# KiCad board Beacon_Multiboard.kicad_pcb (continued)
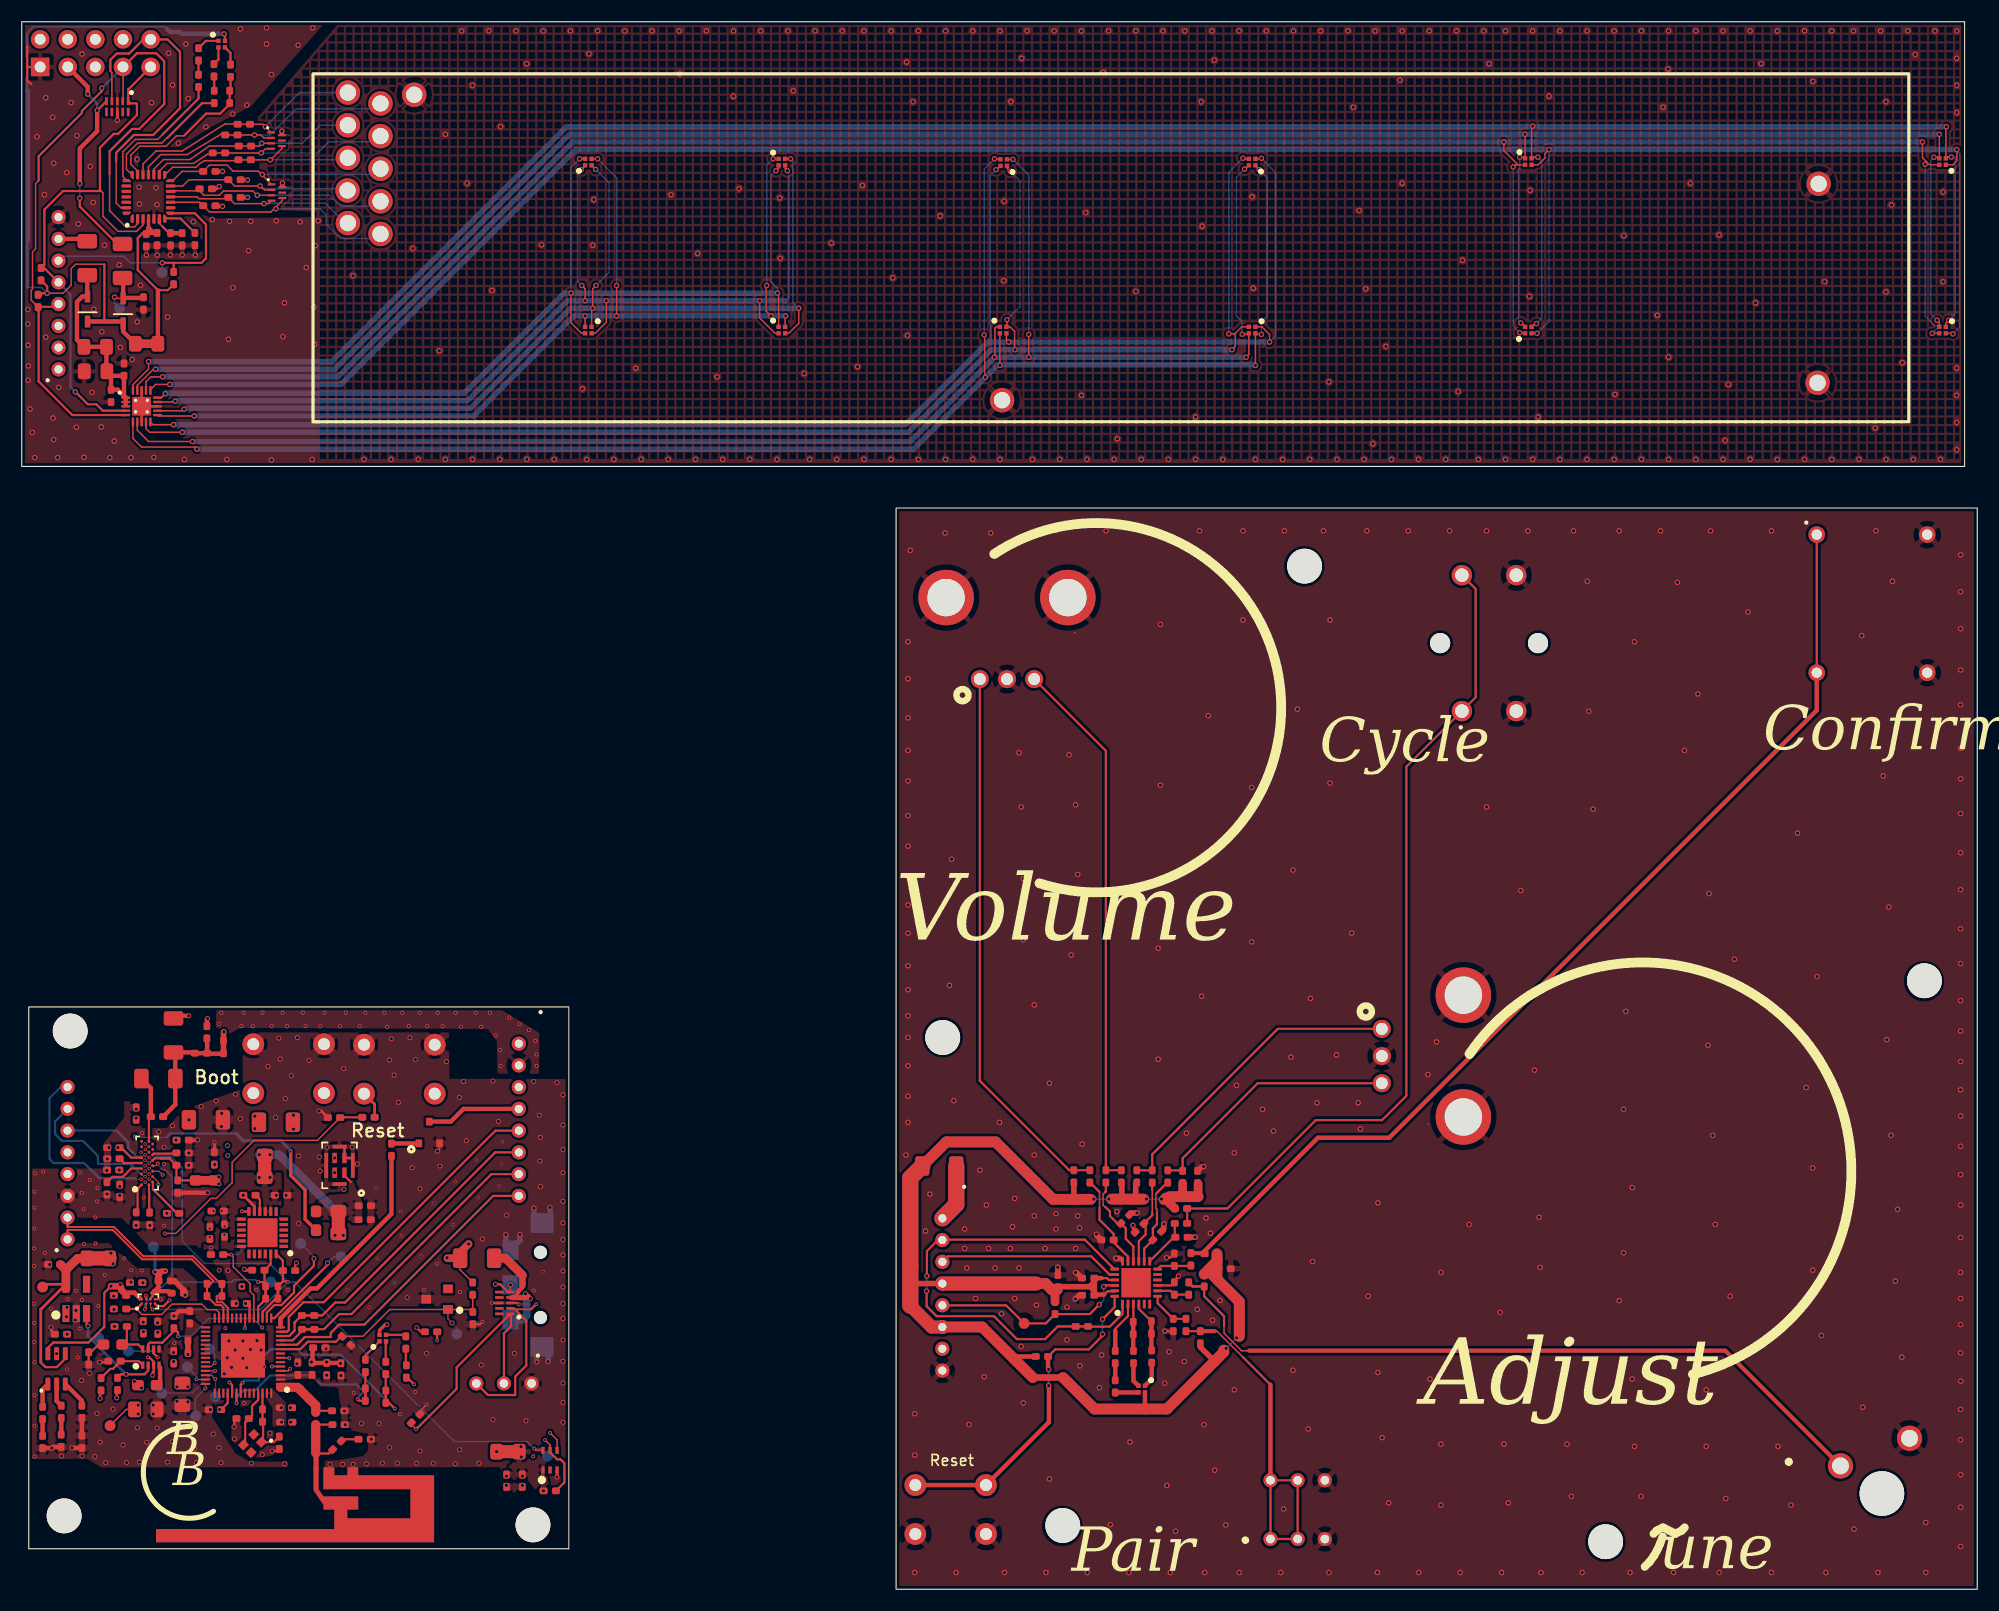
[diagram p0: board, top side]
## Placement (name value [footprint] x y rotation side) (continued)
NOREF  -  [Mounting_Hole_M3]  145.71 4.42 0 top
NOREF#2  -  [Mounting_Hole_M3]  47.06 5.96 0 top
NOREF#3  -  [Mounting_Hole_M3]  95.78 5.91 0 top
NOREF#4  -  [Mounting_Hole_M3]  3.94 6.79 0 top
NOREF#5  -  [Mounting_Hole_M3]  175.03 56 0 top
NOREF#6  -  [Mounting_Hole_M3]  118.02 94.13 0 top
NOREF#7  -  [Mounting_Hole_M3]  84.74 50.78 0 top
PS501  TPS629206  [SOT-583-8]  11.88 21.35 90 top
PS502  BQ21080  [BGA8C40P2X4_104X159X50]  11.65 26.47 90 top
PS503  MIC5504-5-SOT23  [SOT23-5_Handsoldering]  5.01 26.7 90 top
Q1301  T2N7002AK,LM  [TBAT54CLM]  37.38 41.91 90 top
R401  4k70_0402_010  [0402_1005Metric_Handsolder]  1.78 120.94 270 top
R402  4k70_0402_010  [0402_1005Metric_Handsolder]  1.5 118.48 90 top
R403  1k00_0402_010  [0402_1005Metric_Handsolder]  19.2 139.65 90 top
R405  0330_0402_010  [0402_1005Metric_Handsolder]  17.68 139.7 90 top
R406  0100_0402_010  [0402_1005Metric_Handsolder]  17.7 137.24 90 top
R407  0330_0402_010  [0402_1005Metric_Handsolder]  16.26 141.16 90 top
R408  0100_0402_010  [0402_1005Metric_Handsolder]  16.26 138.72 90 top
R409  47k0_0402_010  [0402_1005Metric_Handsolder]  13.97 120.58 90 top
R501  ????_0402_010  [0402_1005Metric_Handsolder]  7.3 18.86 270 top
R502  ????_0402_010  [0402_1005Metric_Handsolder]  9.1 24.17 180 top
R503  ????_0402_010  [0402_1005Metric_Handsolder]  8.53 20.98 0 top
R504  27k4_0603_010  [0603_1608Metric_Handsolder]  8.37 22.53 0 top
R505  47k0_0402_010  [0402_1005Metric_Handsolder]  8.81 18.88 270 top
R506  47k0_0402_010  [0402_1005Metric_Handsolder]  37.65 23.68 180 top
R507  47k0_0402_010  [0402_1005Metric_Handsolder]  9.04 25.78 180 top
R508  220k_0402_010  [0402_1005Metric_Handsolder]  36.22 15.71 225 top
R509  10k0_0402_010  [0402_1005Metric_Handsolder]  41.48 27.65 90 top
R510  15k0_0402_010  [0402_1005Metric_Handsolder]  41.49 24.94 90 top
R511  0470_0402_010  [0402_1005Metric_Handsolder]  5.53 16.32 90 top
R512  0470_0402_010  [0402_1005Metric_Handsolder]  3.64 16.32 90 top
R513  1k00_0402_010  [0402_1005Metric_Handsolder]  1.92 16.21 90 top
R515  0033_0402_010  [0402_1005Metric_Handsolder]  3.63 13.66 90 top
R516  0470_0402_010  [0402_1005Metric_Handsolder]  1.92 13.54 90 top
R701  4k70_0402_010  [0402_1005Metric_Handsolder]  21.76 29.35 180 top
R702  4k70_0402_010  [0402_1005Metric_Handsolder]  24.58 29.31 0 top
R801  0470_0402_010  [0402_1005Metric_Handsolder]  35.32 22.69 90 top
R802  0033_0402_010  [0402_1005Metric_Handsolder]  35.37 20.03 90 top
R803  0220_0402_010  [0402_1005Metric_Handsolder]  33.47 20.35 90 top
R804  2k20_0402_010  [0402_1005Metric_Handsolder]  31.89 43.41 180 top
R805  0220_0402_010  [0402_1005Metric_Handsolder]  31.6 20.53 90 top
R1001  47k0_0402_010  [0402_1005Metric_Handsolder]  17.96 30.78 0 top
R1101  10k0_0402_010  [0402_1005Metric_Handsolder]  48.56 9.05 180 top
R1201  0000_0805_010  [0603_1608Metric_Handsolder]  27.05 33.88 90 top
R1301  0220_0402_010  [0402_1005Metric_Handsolder]  34 40.42 90 top
R1401  10k0_0402_010  [0402_1005Metric_Handsolder]  106.62 35.02 0 top
R1402  10k0_0402_010  [0402_1005Metric_Handsolder]  109.36 30.85 180 top
R1403  10k0_0402_010  [0402_1005Metric_Handsolder]  108.39 23.17 90 top
R1404  10k0_0402_010  [0402_1005Metric_Handsolder]  108.75 28.41 270 top
R1405  2k20_0402_010  [0402_1005Metric_Handsolder]  106.62 33.65 180 top
R1406  2k20_0402_010  [0402_1005Metric_Handsolder]  107.53 30.34 270 top
R1407  2k20_0402_010  [0402_1005Metric_Handsolder]  107.07 24.3 90 top
R1408  2k20_0402_010  [0402_1005Metric_Handsolder]  107.33 27.65 270 top
R1409  10k0_0402_010  [0402_1005Metric_Handsolder]  96.76 37.97 90 top
R1410  10k0_0402_010  [0402_1005Metric_Handsolder]  101.13 37.96 270 top
R1411  10k0_0402_010  [0402_1005Metric_Handsolder]  102.55 37.96 90 top
R1412  10k0_0402_010  [0402_1005Metric_Handsolder]  106.77 37.91 270 top
R1413  10k0_0402_010  [0402_1005Metric_Handsolder]  98.23 37.97 90 top
R1414  10k0_0402_010  [0402_1005Metric_Handsolder]  99.71 37.97 90 top
R1415  10k0_0402_010  [0402_1005Metric_Handsolder]  103.97 37.96 90 top
R1416  10k0_0402_010  [0402_1005Metric_Handsolder]  105.4 37.96 90 top
R1501  2k20_0402_010  [0402_1005Metric_Handsolder]  95.03 25.87 90 top
R1502  2k20_0402_010  [0402_1005Metric_Handsolder]  93.82 21.4 180 top
R1503  0470_0402_010  [0402_1005Metric_Handsolder]  100.57 18.66 270 top
R1504  0033_0402_010  [0402_1005Metric_Handsolder]  100.57 21.35 270 top
R1505  0220_0402_010  [0402_1005Metric_Handsolder]  102.25 21.35 270 top
R1506  0220_0402_010  [0402_1005Metric_Handsolder]  103.92 21.4 270 top
REF**  -  [Mounting_Hole_M3]  4.5 51.38 0 top
SW501  SW_SPDT  [A12AP]  44.44 17.83 270 top
SW801  SW_Push  [SW_PUSH_6mm]  27.8 45.63 180 top
SW802  SW_Push  [SW_PUSH_6mm]  37.98 45.58 180 top
SW1401  SW_Push  [B3J1100]  134.6 89.26 90 top
SW1402  SW_Push  [JF15CP2]  170.17 90.64 0 top
SW1403  SW_Push  [MHPS2283N]  117.35 7.52 0 top
SW1404  SW_Push  [MX1AC1NN]  171.08 8.8 0 top
SW1405  PEC11R-4215F-N0024  [PEC11R4215FN0024]  90.61 91.25 0 top
SW1406  PEC11R-4215F-N0024  [PEC11R4215FN0024]  132.64 49.04 270 top
SW1501  SW_Push  [SW_PUSH_6mm]  82.18 9.58 0 top
Tactile  -  [Board]  80.8 99.42 0 top
TP401  TOUCH_INT  [Testpoint_Pad_D1.0mm]  12.88 121.11 180 bottom
TP403  +3V3_DEBUG  [Testpoint_Pad_D1.0mm]  9.01 117.8 180 bottom
TP501  3V3  [Testpoint_Pad_D1.0mm]  8.13 15.04 0 top
TP502  SYS_PWR  [Testpoint_Pad_D1.0mm]  9.8 21.9 180 bottom
TP503  BAT_P  [Testpoint_Pad_D1.0mm]  12.11 31.48 180 bottom
TP504  3V3_PG  [Testpoint_Pad_D1.0mm]  7.08 23.09 180 bottom
TP505  BAT_MEASURE  [Testpoint_Pad_D1.0mm]  40.01 23.48 180 bottom
TP509  2V5  [Testpoint_Pad_D1.0mm]  1.91 27.79 0 top
TP701  I2S0_MCLK  [Testpoint_Pad_D1.0mm]  17.27 22.1 180 bottom
TP702  I2S1_BCLK  [Testpoint_Pad_D1.0mm]  29.36 30.59 180 bottom
TP703  I2S0_WCLK  [Testpoint_Pad_D1.0mm]  17.83 17.74 180 bottom
TP704  I2S1_MISO  [Testpoint_Pad_D1.0mm]  25.65 31.81 180 bottom
TP705  I2S0_BCLK  [Testpoint_Pad_D1.0mm]  16 15.96 180 bottom
TP706  I2S0_MISO  [Testpoint_Pad_D1.0mm]  12.88 18.04 180 bottom
TP707  I2S0_MOSI  [Testpoint_Pad_D1.0mm]  15.24 20.43 180 bottom
TP708  I2C0_SCLK  [Testpoint_Pad_D1.0mm]  22.91 28.25 180 bottom
TP709  I2C0_SDA  [Testpoint_Pad_D1.0mm]  48.36 12.25 180 bottom
TP1001  IMU_INT  [Testpoint_Pad_D1.0mm]  21.74 32.62 180 bottom
TP1501  TACT_NINT  [Testpoint_Pad_D1.0mm]  92.19 24.45 0 top
U401  KTD20XXEUAC-TR  [UQFN-20-1EP_3x3mm_P0.4mm_EP1.7x1.7mm_ThermalVias]  11.04 108.78 0 top
U402  IQS525BLQNR  [QFN-28_4x4mm_P0.5mm]  11.65 128.06 90 top
U601  DA7212-01UM2  [DA721201UM2]  11.53 39.2 90 top
U701  ESP32-S3FH4R2  [QFN40P700X700X90-57N-D]  20.35 21.49 180 top
U1001  ICM-20689  [QFN50P400X400X95-25N-D]  22.15 32.79 180 top
U1101  LTR-303ALS  [LTR303ALS01]  48.59 11.87 90 top
U1501  KTS1622_EUAA  [TQFN44-24_4x4mm_P0.5mm_EP2.7x2.7mm]  102.49 28.19 90 top
Y701  40MHz-0706-4P  [XRCGB40M000F1S2FR0]  21.22 13.4 225 top

## Library data of the parts
C301-C303 C401-C413 C501-C508 C511-C513 C533 C534 C601-C619 C701-C711 C801-C804 C1001-C1005 C1101 C1102 C1201 C1202 C1501-C1503 = -: Description: Unpolarized capacitor, small symbol
C1401-C1408 = -: Description: Unpolarized capacitor, small symbol; Pagenumber: 12
D401-D412 D417 D801 D1501 = -: Description: RGB LED, 4 Pin
D413 D414 = -: Description: Diode, filled shape
D415 D507 = -: Description: ESD, Bidirectional, Low Capacitance, 5V
D416 D418 = -: Description: ESD Suppression, Unidirectional, 6 Channel, 0.27 pF
D501 = -: Description: RGB LED, 6 Pin
D503 = -: Description: Zener diode, small symbol
F201 F301 F401 F402 F501 = -: Description: Fuse, small symbol
J101 J102 J104 J106 = -: Description: Generic connector, single row, 01x08, script generated
J404 = -: Description: Generic connector, double row, 02x05, odd/even pin numbering scheme (row 1 odd numbers, row 2 even numbers), script generated (kicad-library-utils/schlib/autogen/connector/)
J501 = -: Description: Generic connector, single row, 01x03, script generated
L501 L701 L801 L802 = -: Description: Inductor
MK1201 = -: Description: MEMS Microphone, I2C
PS501 = -: Description: DC/DC Buck Converter, 600-mA, 3 to 17 V, Low IQ
PS502 = -: Description: Battery Controller, Power Path, I2C Controlled
PS503 = -: Description: 2.5V Fixed LDO, 300 mA, 5 pin SOT23
R401-R403 R405-R409 R501-R513 R515 R516 R701 R702 R801-R805 R1001 R1101 R1201 R1301 R1501-R1506 = -: Description: Resistor, small symbol
R1401-R1416 = -: Description: Resistor, small symbol; Pagenumber: 12
SW501 = -: Description: Switch, single pole double throw
SW801 SW802 SW1501 = -: Description: Push button switch, generic, two pins
SW1401-SW1404 = -: Description: Push button switch, generic, two pins; Pagenumber: 12
SW1405 SW1406 = -: Pagenumber: 12
U401 = -: Description: LED Driver, 36 Channels, Multiplexing, I2C
U402 = -: Description: Capacitive Touch Controller, 25 Channel,  QFN28
U601 = -: Description: Audio Codec, Analog Input, DSP, Headphone Amplifier
U701 = -: Description: RF MCU, 45 GPIO, 4 MB Flash, 2 MB PSRAM
U1001 = -: Description: MEMS IMU, 3-Axis ACC, 3-Axis Gyro
U1101 = -: Description: Ambient Light Sensor, I2C
U1501 = -: Description: IO Extender, 16 IO, I2C

## Footprints (pads in the part's own frame, mm; a bottom-side part is the same pattern mirrored in y, then rotated)
2.4GHz_Inverted_F_Antenna
  rect 0.46x0.46 smd: 1(-14.72,-6.68)
  rect 1x0.74 smd: 2(-18.1,-6.54) 2(-15.9,-6.54)
0402_1005Metric_Handsolder
  rrect 0.735x0.62 smd: 1(-0.568,0) 2(0.568,0)
0402_CUT-N-JUMP
  rrect 0.735x0.62 smd: 1(-0.593,0.025) 2(0.542,0.025)
0603_1608Metric_Handsolder
  rrect 1.075x0.95 smd: 1(-0.863,-0.02) 2(0.863,-0.02)
0603_CUT-N-JUMP
  rrect 1.075x0.95 smd: 1(-0.875,0) 2(0.85,0)
0805_2012Metric_Handsolder
  rrect 1.175x1.45 smd: 1(-1.058,-0.02) 2(1.018,-0.02)
0805_CUT-N-JUMP
  rrect 1.175x1.45 smd: 1(-1.038,0) 2(1.038,0)
1206_3216Metric_Handsolder
  rrect 1.325x1.8 smd: 1(-1.583,0) 2(1.542,0)
A12AP
  round 1.3 hole 0.8: 1(-1.1,2.45) 2(-1.1,-0.09) 3(-1.1,-2.63)
B3J1100
  round 1.85 hole 1.85 unplated: (-2.25,4.15) (-2.25,-4.85)
  round 1.875 hole 1.25: 1(-8.5,2.15) 1(4,2.15) 2(-8.5,-2.85) 2(4,-2.85)
BGA8C40P2X4_104X159X50
  round 0.23 smd: A1(-0.2,0.6) A2(0.2,0.6) B1(-0.2,0.2) B2(0.2,0.2) C1(-0.2,-0.2) C2(0.2,-0.2) D1(-0.2,-0.6) D2(0.2,-0.6)
CLYBA-FKA-CFHHKL9BBB7a363
  rrect 1.2x0.45 smd: 1(-1.4,0.8) 2(-1.4,0) 3(-1.4,-0.8) 4(1.4,-0.8) 5(1.4,0) 6(1.4,0.8)
CONN_1x08_P2.00mm_Horizontal
  round 1.3 hole 0.75: 1(-7,0) 2(-5,0) 3(-3,0) 4(-1,0) 5(1,0) 6(3,0) 7(5,0) 8(7,0)
DA721201UM2
  round 0.27 smd: A1(-2,0.51) A3(-1.5,0.51) A5(-1,0.51) A7(-0.5,0.51) A9(0,0.51) A11(0.5,0.51) A13(1,0.51) A15(1.5,0.51) A17(2,0.51) B2(-1.75,0.17) B4(-1.25,0.17) B6(-0.75,0.17) B8(-0.25,0.17) B10(0.25,0.17) B12(0.75,0.17) B14(1.25,0.17) B16(1.75,0.17) C1(-2,-0.17) C3(-1.5,-0.17) C5(-1,-0.17) C7(-0.5,-0.17) C9(0,-0.17) C11(0.5,-0.17) C13(1,-0.17) C15(1.5,-0.17) C17(2,-0.17) D2(-1.75,-0.51) D4(-1.25,-0.51) D6(-0.75,-0.51) D8(-0.25,-0.51) D10(0.25,-0.51) D12(0.75,-0.51) D14(1.25,-0.51) D16(1.75,-0.51)
JF15CP2
  round 1.524 hole 0.95: 1(-5.08,6.35) 1(-5.08,-6.35) 2(5.08,6.35) 2(5.08,-6.35)
LEAF_17461421
  round 1.2 hole 1.2 unplated: (-3,0.625) (3,0.625)
  rect 1.8x1.5 smd: 1(-3.2,-2.125) 2(0,-2.125) 3(3.2,-2.125)
  rect 1.8x2.1 smd: 3(-5.7,0.775) 3(5.7,0.775)
LTR303ALS01
  rect 0.65x0.3 smd: 1(-0.9,0.65) 2(-0.9,0) 3(-0.9,-0.65) 4(0.9,-0.65) 5(0.9,0) 6(0.9,0.65)
MHPS2283N
  round 1.3 hole 0.8: 1(-2.5,2.5) 1(-2.5,-2.9) 1(0,2.5) 1(0,-2.9) 2(2.5,2.5) 2(2.5,-2.9)
Mounting_Hole_M3
  round 3.2 hole 3.2 unplated: (-0.04,-0.041)
MP34DT05TRA
  rect 0.4x0.95 smd: 1(-0.45,0.675) 2(-0.45,-0.675) 3(0.45,-0.675) 4(0.45,0.675)
  rect 0.35x2.3 smd: 5(-1.225,0) 5(1.225,0)
  rect 1.3x0.35 smd: 5(0,1.725) 5(0,-1.725)
MX1AC1NN
  round 4.1 hole 4.1 unplated: (0,0)
  round 2.324 hole 1.55: 1(-3.81,2.54) 2(2.54,5.08)
PAD_SMALL
  rrect 0.6x0.6 smd: 1(0,0)
PEC11R4215FN0024
  round 1.65 hole 1.1: A(-2.5,-7.55) B(2.5,-7.55) C(0,-7.55)
  round 5.1 hole 3.44: C(-5.6,-0.05) C(5.6,-0.05)
PESD4USB5BTBSX
  rect 0.25x0.725 smd: 1(-1,-0.487) 2(-0.5,-0.487) 3(0,-0.487) 4(0.5,-0.487) 5(1,-0.487)
  rect 0.25x0.775 smd: 6(1,0.512) 7(0.5,0.512) 8(0,0.512) 9(-0.5,0.512) 10(-1,0.512)
PinHeader_2x05_P2.54
  rect 1.7x1.7 hole 1: 1(-1.27,5.23)
  oval 1.7x1.7 hole 1: 2(1.27,5.23) 3(-1.27,2.69) 4(1.27,2.69) 5(-1.27,0.15) 6(1.27,0.15) 7(-1.27,-2.39) 8(1.27,-2.39) 9(-1.27,-4.93) 10(1.27,-4.93)
Plated_Hole_D1.5mm
  round 2.25 hole 1.5: 1(0,0)
PUSB3TB6AZ
  rect 0.7x0.2 smd: 1(-0.5,0.75) 2(-0.5,0.25) 3(-0.5,-0.25) 4(-0.5,-0.75) 5(0.5,-0.5) 6(0.5,0) 7(0.5,0.5)
QFN40P700X700X90-57N-D
  rect 0.85x0.2 smd: 1(-3.45,2.6) 2(-3.45,2.2) 3(-3.45,1.8) 4(-3.45,1.4) 5(-3.45,1) 6(-3.45,0.6) 7(-3.45,0.2) 8(-3.45,-0.2) 9(-3.45,-0.6) 10(-3.45,-1) 11(-3.45,-1.4) 12(-3.45,-1.8) 13(-3.45,-2.2) 14(-3.45,-2.6) 29(3.45,-2.6) 30(3.45,-2.2) 31(3.45,-1.8) 32(3.45,-1.4) 33(3.45,-1) 34(3.45,-0.6) 35(3.45,-0.2) 36(3.45,0.2) 37(3.45,0.6) 38(3.45,1) 39(3.45,1.4) 40(3.45,1.8) 41(3.45,2.2) 42(3.45,2.6)
  rect 0.2x0.85 smd: 15(-2.6,-3.45) 16(-2.2,-3.45) 17(-1.8,-3.45) 18(-1.4,-3.45) 19(-1,-3.45) 20(-0.6,-3.45) 21(-0.2,-3.45) 22(0.2,-3.45) 23(0.6,-3.45) 24(1,-3.45) 25(1.4,-3.45) 26(1.8,-3.45) 27(2.2,-3.45) 28(2.6,-3.45) 43(2.6,3.45) 44(2.2,3.45) 45(1.8,3.45) 46(1.4,3.45) 47(1,3.45) 48(0.6,3.45) 49(0.2,3.45) 50(-0.2,3.45) 51(-0.6,3.45) 52(-1,3.45) 53(-1.4,3.45) 54(-1.8,3.45) 55(-2.2,3.45) 56(-2.6,3.45)
  rect 4.05x4.05 smd: 57(0,0)
QFN50P400X400X95-25N-D
  rect 0.8x0.3 smd: 1(-1.95,1.25) 2(-1.95,0.75) 3(-1.95,0.25) 4(-1.95,-0.25) 5(-1.95,-0.75) 6(-1.95,-1.25) 13(1.95,-1.25) 14(1.95,-0.75) 15(1.95,-0.25) 16(1.95,0.25) 17(1.95,0.75) 18(1.95,1.25)
  rect 0.3x0.8 smd: 7(-1.25,-1.95) 8(-0.75,-1.95) 9(-0.25,-1.95) 10(0.25,-1.95) 11(0.75,-1.95) 12(1.25,-1.95) 19(1.25,1.95) 20(0.75,1.95) 21(0.25,1.95) 22(-0.25,1.95) 23(-0.75,1.95) 24(-1.25,1.95)
  rect 2.75x2.65 smd: EP(0,0)
QFN-28_4x4mm_P0.5mm
  custom 0.755x0.3 smd: 1(-1.99,1.49) 7(-1.99,-1.5) 15(1.99,-1.495) 21(1.99,1.495)
  rrect 0.875x0.3 smd: 2(-2.04,0.995) 3(-2.04,0.495) 4(-2.04,-0.005) 5(-2.04,-0.505) 6(-2.04,-1.005) 16(2.04,-1) 17(2.04,-0.5) 18(2.04,0) 19(2.04,0.5) 20(2.04,1)
  custom 0.3x0.745 smd: 8(-1.515,-1.985)
  rrect 0.3x0.875 smd: 9(-1.01,-2.04) 10(-0.51,-2.04) 11(-0.01,-2.04) 12(0.49,-2.04) 13(0.99,-2.04) 23(0.99,2.04) 24(0.49,2.04) 25(-0.01,2.04) 26(-0.51,2.04) 27(-1.01,2.04)
  custom 0.3x0.755 smd: 14(1.495,-1.99) 22(1.495,1.99) 28(-1.505,1.99)
SOD2512X115N
  rect 1.1x0.5 smd: 1(-1.15,0) 2(1.15,0)
SOT23-5_Handsoldering
  rect 1.56x0.65 smd: 1(-1.35,0.95) 2(-1.35,0) 3(-1.35,-0.95) 4(1.35,-0.95) 5(1.35,0.95)
SOT23_Handsolder
  rect 0.9x0.8 smd: 1(-1,0.95) 2(1,0) 3(-1,-0.95)
SOT-583-8
  rrect 0.67x0.3 smd: 1(-0.74,0.75) 2(-0.74,0.25) 3(-0.74,-0.25) 4(-0.74,-0.75) 5(0.74,-0.75) 6(0.74,-0.25) 7(0.74,0.25) 8(0.74,0.75)
SW_PUSH_6mm
  round 2 hole 1.1: 1(0,0) 1(6.5,0) 2(0,-4.5) 2(6.5,-4.5)
TBAT54CLM
  rect 0.7x0.6 smd: D(1.1,-0.1) G(-0.9,0.85) S(-0.9,-1.05)
Testpoint_Pad_D1.0mm
  round 1 smd: 1(0,0)
TQFN44-24_4x4mm_P0.5mm_EP2.7x2.7mm
  rrect 1.09x1.05 smd: (-0.675,0.65) (-0.675,-0.65) (0.675,0.65) (0.675,-0.65)
  rrect 0.8x0.27 smd: 1(-1.975,1.25) 2(-1.975,0.75) 3(-1.975,0.25) 4(-1.975,-0.25) 5(-1.975,-0.75) 6(-1.975,-1.25) 13(1.975,-1.25) 14(1.975,-0.75) 15(1.975,-0.25) 16(1.975,0.25) 17(1.975,0.75) 18(1.975,1.25)
  rrect 0.27x0.8 smd: 7(-1.25,-1.975) 8(-0.75,-1.975) 9(-0.25,-1.975) 10(0.25,-1.975) 11(0.75,-1.975) 12(1.25,-1.975) 19(1.25,1.975) 20(0.75,1.975) 21(0.25,1.975) 22(-0.25,1.975) 23(-0.75,1.975) 24(-1.25,1.975)
  rect 2.7x2.7 smd: EP(0,0)
UHD1110FKACL1A13r3q1BBQFMF3
  rect 0.4x0.4 smd: 1(-0.3,0.3) 2(-0.3,-0.3) 3(0.3,-0.3) 4(0.3,0.3)
UQFN-20-1EP_3x3mm_P0.4mm_EP1.7x1.7mm_ThermalVias
  rrect 0.8x0.8 smd: (-0.398,0.397) (-0.398,-0.403) (0.402,0.397) (0.402,-0.403)
  rrect 0.81x0.22 smd: 1(-1.473,0.807) 2(-1.473,0.407) 3(-1.473,0.007) 4(-1.473,-0.393) 5(-1.473,-0.793) 11(1.452,-0.793) 12(1.452,-0.393) 13(1.452,0.007) 14(1.452,0.407) 15(1.452,0.807)
  rrect 0.22x0.81 smd: 6(-0.808,-1.428) 7(-0.408,-1.428) 8(-0.008,-1.428) 9(0.392,-1.428) 10(0.792,-1.428) 16(0.792,1.472) 17(0.392,1.472) 18(-0.008,1.472) 19(-0.408,1.472) 20(-0.808,1.472)
  round 0.5 hole 0.3: EP(-0.559,0.559) EP(-0.559,-0.508) EP(0.508,0.559) EP(0.508,-0.508)
  rect 1.7x1.7 smd: EP(-0.01,0.022)
  rect 1.7x1.7 smd far side: EP(-0.01,0.022)
XRCGB40M000F1S2FR0
  rect 0.75x0.7 smd: 1(-0.3,0.15) 2(-0.3,-0.15) 2(0.3,0.15) 3(0.3,-0.15)

## Nets
/Fret_Assembly/+3V3: C303.2 C401.2 C402.2 D413.2 F401.2 J401.1 J401.2 U401.1 U401.2 U401.3
/Fret_Assembly/+3V3_DEBUG: D415.5 F402.1 J404.3
/Fret_Assembly/+3V3_EXT: F401.1 J102.7
/Fret_Assembly/+3V3_PROTECT: C403.2 C405.2 D413.1 D414.1 D417.4 J408.1 J408.2 R401.2 R402.2 R409.1 U402.4
/Main_Board/3V3_PG: C801.2 PS501.2 PS503.3 R505.1 R804.2 TP504.1
/Main_Board/+2V5: C534.2 C604.2 C605.2 C606.2 D501.4 J603.1 J603.2 PS503.5 R1201.1 TP509.1 U601.A11 U601.B6 U601.B14
/Main_Board/+3V3: C502.2 C503.2 C512.2 C533.2 C601.2 C602.2 C603.2 C701.2 C702.2 C703.2 C704.2 C705.2 C706.2 C708.2 C709.2 C1001.2 C1002.2 C1003.2 C1005.2 C1101.2 C1102.2 C1201.2 C1202.2 D501.5 D801.4 F201.2 J601.1 J601.2 J701.1 J701.2 J1001.1 J1001.2 J1101.1 J1101.2 J1201.1 J1201.2 L501.2 L701.1 MK1201.1 PS501.3 PS503.1 R501.2 R505.2 R507.2 R701.2 R702.2 R1001.1 R1101.2 R1201.2 TP501.1 U601.D10 U701.20 U701.29 U701.46 U701.55 U701.56 U1001.8 U1001.9 U1001.13 U1101.1
/Main_Board/+3V3_EXT: F201.1 J101.3
/Main_Board/+5V: C504.2 D501.6 J106.4 PS502.A2
/Main_Board/MCU/VDD3P3: C707.2 L701.2 U701.2 U701.3
/Main_Board/Regulators/3V3_EN: C507.1 D507.1 PS501.7 R508.2 SW501.2
/Tactile_Board/+3V3: C301.2 C302.2 C1501.2 C1502.2 C1503.2 D1501.4 F301.2 J104.4 J104.6 R1401.1 R1402.1 R1403.1 R1404.1 R1409.1 R1410.2 R1411.1 R1412.2 R1501.2 R1502.2 U1501.21 U1501.23
/Tactile_Board/+3V3_EXT: F301.1 J104.1
GND: AE801.2 C301.1 C302.1 C303.1 C401.1 C402.1 C403.1 C404.1 C405.1 C406.1 C407.1 C408.1 C409.1 C410.1 C411.1 C412.1 C413.1 C501.1 C502.1 C503.1 C504.1 C505.1 C506.1 C507.2 C508.1 C511.1 C512.1 C513.1 C533.1 C534.1 C601.1 C602.1 C603.1 C604.1 C605.1 C606.1 C609.2 C610.2 C611.2 C612.2 C614.1 C615.1 C616.1 C617.1 C618.1 C619.1 C701.1 C702.1 C703.1 C704.1 C705.1 C706.1 C707.1 C708.1 C709.1 C710.1 C711.1 C801.1 C802.1 C803.1 C804.1 C1001.1 C1002.1 C1003.1 C1004.1 C1005.1 C1101.1 C1102.1 C1201.1 C1202.1 C1401.1 C1402.1 C1403.1 C1404.1 C1405.1 C1406.1 C1407.1 C1408.1 C1501.1 C1502.1 C1503.1 D415.3 D415.8 D416.7 D418.7 D503.2 D507.3 D507.8 H425.1 H426.1 H427.1 H428.1 J101.2 J102.8 J104.8 J106.3 J106.5 J404.1 J410.1 J410.2 J501.3 J502.1 J502.2 MK1201.2 MK1201.5 PS501.5 PS502.D2 PS503.2 Q1301.S R503.1 R504.1 R508.1 R510.1 R511.1 R515.1 R516.1 SW501.1 SW801.2 SW802.2 SW1401.2 SW1402.2 SW1403.2 SW1404.2 SW1405.C SW1406.C SW1501.2 U401.8 U401.13 U401.18 U401.EP U402.5 U601.A13 U601.B2 U601.B10 U701.57 U1001.11 U1001.18 U1101.3 U1501.9 U1501.18
/Fret_Assembly/BLED: R408.1 U402.22
/Fret_Assembly/GLED: R406.1 U402.21
/Fret_Assembly/I2C1_SCLK: D415.1 J102.5 J404.9 R401.1 U401.4 U402.3
/Fret_Assembly/I2C1_SDA: D415.2 J102.4 J404.7 R402.1 U401.5 U402.2
/Fret_Assembly/LEDA1: D401.3 D402.2 D403.1 D404.4 U401.6
/Fret_Assembly/LEDA2: D401.2 D402.1 D403.4 D404.3 U401.7
/Fret_Assembly/LEDA3: D401.1 D402.4 D403.3 D404.2 U401.9
/Fret_Assembly/LEDA4: D401.4 D402.3 D403.2 D404.1 U401.10
/Fret_Assembly/LEDB1: D405.3 D406.2 D407.1 D408.4 U401.11
/Fret_Assembly/LEDB2: D405.2 D406.1 D407.4 D408.3 U401.12
/Fret_Assembly/LEDB3: D405.1 D406.4 D407.3 D408.2 U401.14
/Fret_Assembly/LEDB4: D405.4 D406.3 D407.2 D408.1 U401.15
/Fret_Assembly/LEDC1: D409.3 D410.2 D411.1 D412.4 U401.16
/Fret_Assembly/LEDC2: D409.2 D410.1 D411.4 D412.3 U401.17
/Fret_Assembly/LEDC3: D409.1 D410.4 D411.3 D412.2 U401.19
/Fret_Assembly/LEDC4: D409.4 D410.3 D411.2 D412.1 U401.20
/Fret_Assembly/RLED: J409.1 J409.2 R403.1 U402.20
/Fret_Assembly/RX0: C406.2 D418.5 H411.1 U402.10
/Fret_Assembly/RX1: C410.2 D418.4 H413.1 U402.11
/Fret_Assembly/RX2: C411.2 D418.3 H415.1 U402.12
/Fret_Assembly/RX3: C412.2 D418.2 H417.1 U402.13
/Fret_Assembly/RX4: C413.2 D418.1 H423.1 U402.14
/Fret_Assembly/TOUCH_INT: J102.6 R409.2 TP401.1 U402.8
/Fret_Assembly/TOUCH_PROGM: D415.4 J404.10 U402.27
/Fret_Assembly/TX0: D416.1 H401.1 J402.1 J402.2 U402.19
/Fret_Assembly/TX1: D416.2 H402.1 J403.1 J403.2 U402.18
/Fret_Assembly/TX2: D416.3 H403.1 J405.1 J405.2 U402.17
/Fret_Assembly/TX3: D416.4 H404.1 J406.1 J406.2 U402.16
/Fret_Assembly/TX4: D416.5 H405.1 J407.1 J407.2 U402.15
/Main_Board/AMB_INT: R1101.1 U701.7 U1101.5
/Main_Board/AUDIO_GND_SEN: J106.7 U601.B4
/Main_Board/AUDIO_HP: J106.8 U601.A3
/Main_Board/AUDIO_PU: C607.2 C608.2 C609.1 C610.1 J101.1 J604.1 J604.2 J605.1 J605.2
/Main_Board/AUDIO_SP: J106.6 U601.B12
/Main_Board/BAT_MEASURE: C508.2 D503.1 R509.1 R510.2 TP505.1 U701.9
/Main_Board/BAT_NINT: PS502.A1 R507.1 U701.27
/Main_Board/I2C0_SCLK: J703.1 J703.2 PS502.B1 R701.1 TP708.1 U601.D8 U701.18 U1001.23 U1101.4
/Main_Board/I2C0_SDA: J704.1 J704.2 PS502.C1 R702.1 TP709.1 U601.C9 U701.17 U1001.24 U1101.6
/Main_Board/I2C1_BCLK: MK1201.3 TP702.1 U701.15
/Main_Board/I2C1_MISO: MK1201.4 TP704.1 U701.16
/Main_Board/I2C1_SCLK: J101.6 J705.1 J705.2 U701.12
/Main_Board/I2C1_SDA: J101.7 J706.1 J706.2 U701.11
/Main_Board/I2S0_BCLK: TP705.1 U601.D4 U701.42
/Main_Board/I2S0_MCLK: TP701.1 U601.C11 U701.38
/Main_Board/I2S0_MISO: TP706.1 U601.C7 U701.39
/Main_Board/I2S0_MOSI: TP707.1 U601.C5 U701.41
/Main_Board/I2S0_WCLK: TP703.1 U601.D6 U701.40
/Main_Board/IMU_INT: R1001.2 TP1001.1 U701.19 U1001.12
/Main_Board/MCU/uC_XTAL_N: C711.2 U701.53 Y701.3
/Main_Board/MCU/uC_XTAL_P: C710.2 J702.1 J702.2 U701.54 Y701.1
/Main_Board/Regulators/BAT_P: C506.2 C513.2 F501.2 PS502.C2 R509.2 TP503.1
/Main_Board/Regulators/BAT_TS: D507.5 J501.2 PS502.D1
/Main_Board/Regulators/MODE: PS501.8 R502.1 R504.2
/Main_Board/Regulators/SYS_PWR: C501.2 C505.2 C511.2 PS501.6 PS502.B2 R502.2 R506.2 TP502.1
/Main_Board/Regulators/VSET: PS501.1 R501.1 R503.2
/Main_Board/STAT_B: J802.1 J802.2 R805.1 U701.48
/Main_Board/STAT_G: J801.1 J801.2 R803.1 U701.49
/Main_Board/STAT_R: R802.1 U701.47
/Main_Board/TACT_NINT: J101.8 U701.10
/Main_Board/TACT_VIBRT: R1301.1 U701.14
/Main_Board/TACT_VIBRT_EXT: J101.4 Q1301.D
/Main_Board/TOUCH_INT: J101.5 U701.13
/Main_Board/uC_BOOT: SW801.1 U701.5
/Main_Board/uC_EN: R804.1 SW802.1 U701.4
/Main_Board/uC_LNA: C803.2 J804.1 J804.2 L801.2 U701.1
/Main_Board/USB_DN: J106.2 J1609.1 J1609.2 U701.25
/Main_Board/USB_DP: J106.1 J1610.1 J1610.2 U701.26
/Tactile_Board/I2C1_SCLK: J104.2 J1501.1 J1501.2 U1501.1 U1501.19
/Tactile_Board/I2C1_SDA: J104.3 U1501.20
/Tactile_Board/IO_Expander/TACT_B: J1503.1 J1503.2 R1506.1 U1501.4
/Tactile_Board/IO_Expander/TACT_CONFIRM: C1402.2 R1406.2 U1501.12
/Tactile_Board/IO_Expander/TACT_CYCLE: C1401.2 R1405.2 U1501.13
/Tactile_Board/IO_Expander/TACT_EQZR_A: C1407.2 R1415.1 U1501.15
/Tactile_Board/IO_Expander/TACT_EQZR_B: C1408.2 R1416.1 U1501.14
/Tactile_Board/IO_Expander/TACT_G: J1502.1 J1502.2 R1505.1 U1501.3
/Tactile_Board/IO_Expander/TACT_PAIR: C1403.2 R1407.2 U1501.7
/Tactile_Board/IO_Expander/TACT_R: R1504.1 U1501.2
/Tactile_Board/IO_Expander/TACT_TUNE: C1404.2 R1408.2 U1501.8
/Tactile_Board/IO_Expander/TACT_VOLUME_A: C1405.2 R1413.1 U1501.17
/Tactile_Board/IO_Expander/TACT_VOLUME_B: C1406.2 R1414.1 U1501.16
/Tactile_Board/TACT_NINT: J104.5 R1501.1 TP1501.1 U1501.22
Net-(AE801-Pad1): AE801.1 C802.2 J803.1 J803.2 L801.1 L802.2
Net-(C804-Pad2): C804.2 L802.1
Net-(D414-A): C404.2 D414.2 F402.2 TP403.1
Net-(D417-Pad1): D417.1 R407.2
Net-(D417-Pad2): D417.2 R405.2
Net-(D417-Pad3): D417.3 R403.2
Net-(D501-Pad1): D501.1 R513.2
Net-(D501-Pad2): D501.2 R512.2
Net-(D501-Pad3): D501.3 R511.2
Net-(D801-Pad1): D801.1 R805.2
Net-(D801-Pad2): D801.2 R803.2
Net-(D801-Pad3): D801.3 R801.2
Net-(D1501-Pad1): D1501.1 R1506.2
Net-(D1501-Pad2): D1501.2 R1505.2
Net-(D1501-Pad3): D1501.3 R1503.2
Net-(J501-Pin_1): D507.4 F501.1 J501.1
Net-(PS501-SW): L501.1 PS501.4
Net-(Q1301-PadG): Q1301.G R1301.2
Net-(R405-Pad1): R405.1 R406.2
Net-(R407-Pad1): R407.1 R408.2
Net-(R512-Pad1): R512.1 R515.2
Net-(R513-Pad1): R513.1 R516.2
Net-(R801-Pad1): R801.1 R802.2
Net-(R1401-Pad2): R1401.2 R1405.1 SW1401.1
Net-(R1402-Pad2): R1402.2 R1406.1 SW1402.1
Net-(R1403-Pad2): R1403.2 R1407.1 SW1403.1
Net-(R1404-Pad2): R1404.2 R1408.1 SW1404.1
Net-(R1409-Pad2): R1409.2 R1413.2 SW1405.A
Net-(R1410-Pad1): R1410.1 R1414.2 SW1405.B
Net-(R1411-Pad2): R1411.2 R1415.2 SW1406.A
Net-(R1412-Pad1): R1412.1 R1416.2 SW1406.B
Net-(R1503-Pad1): R1503.1 R1504.2
Net-(SW501-C): D507.2 R506.1 SW501.3
Net-(U402-NRST): C409.2 U402.7
Net-(U402-VREG): C407.2 C408.2 U402.6
Net-(U601-CPF_N): C613.1 U601.C3
Net-(U601-CPF_P): C613.2 U601.D2
Net-(U601-CPR_N): C618.2 U601.C1
Net-(U601-CPR_P): C617.2 U601.A1
Net-(U601-DACREF): C614.2 U601.A7
Net-(U601-MIC1_N): C611.1 C612.1 U601.B16
Net-(U601-MIC1_P): C607.1 C608.1 U601.C17
Net-(U601-VDIG): C619.2 U601.D12
Net-(U601-VMID): C615.2 U601.A9
Net-(U601-VREF): C616.2 U601.B8
Net-(U701-XTAL_32K_P): J708.1 U701.21
Net-(U1001-REGOUT): C1004.2 U1001.10
Net-(U1501-NRST): R1502.1 SW1501.1 U1501.24

Pads without a net: D415 6 7 9 10; D416 6; D418 6; D503 3; D507 6 7 9 10; J102 1 2 3; J104 7; J404 2 4 5 6 8; PS503 4; U402 1 9 23 24 25 26 28; U601 A5 A15 A17 C13 C15 D14 D16; U701 6 8 22 23 24 28 30 31 32 33 34 35 36 37 43 44 45 50 51 52; U1001 1 2 3 4 5 6 7 14 15 16 17 19 20 21 22 EP; U1101 2; U1501 5 6 10 11 EP; Y701 2

## Via types
v1: diameter 0.5, hole 0.3, Top to Bottom, 692 vias
v2: diameter 0.45, hole 0.3, Top to Bottom, 267 vias
v3: diameter 0.35, hole 0.2, Top to Bottom, 106 vias
v4: diameter 0.37, hole 0.22, Top to Bottom, 40 vias
v5: diameter 0.3, hole 0.2, Top to Bottom, 33 vias
